# Altium PCB FPGA_POETIC.PcbDoc (part 2 of 3)
Units mm, origin at the board's own origin, x right, y up, seen from the top; angles counter-clockwise.
Board outline 160 x 100 mm, 6 copper layers (Top Layer, GND, Internal SIG1, Internal SIG2, Power, Bottom Layer), stack 0.816 mm thick; 193 components, 248 nets, 1352 pads, 523 vias.
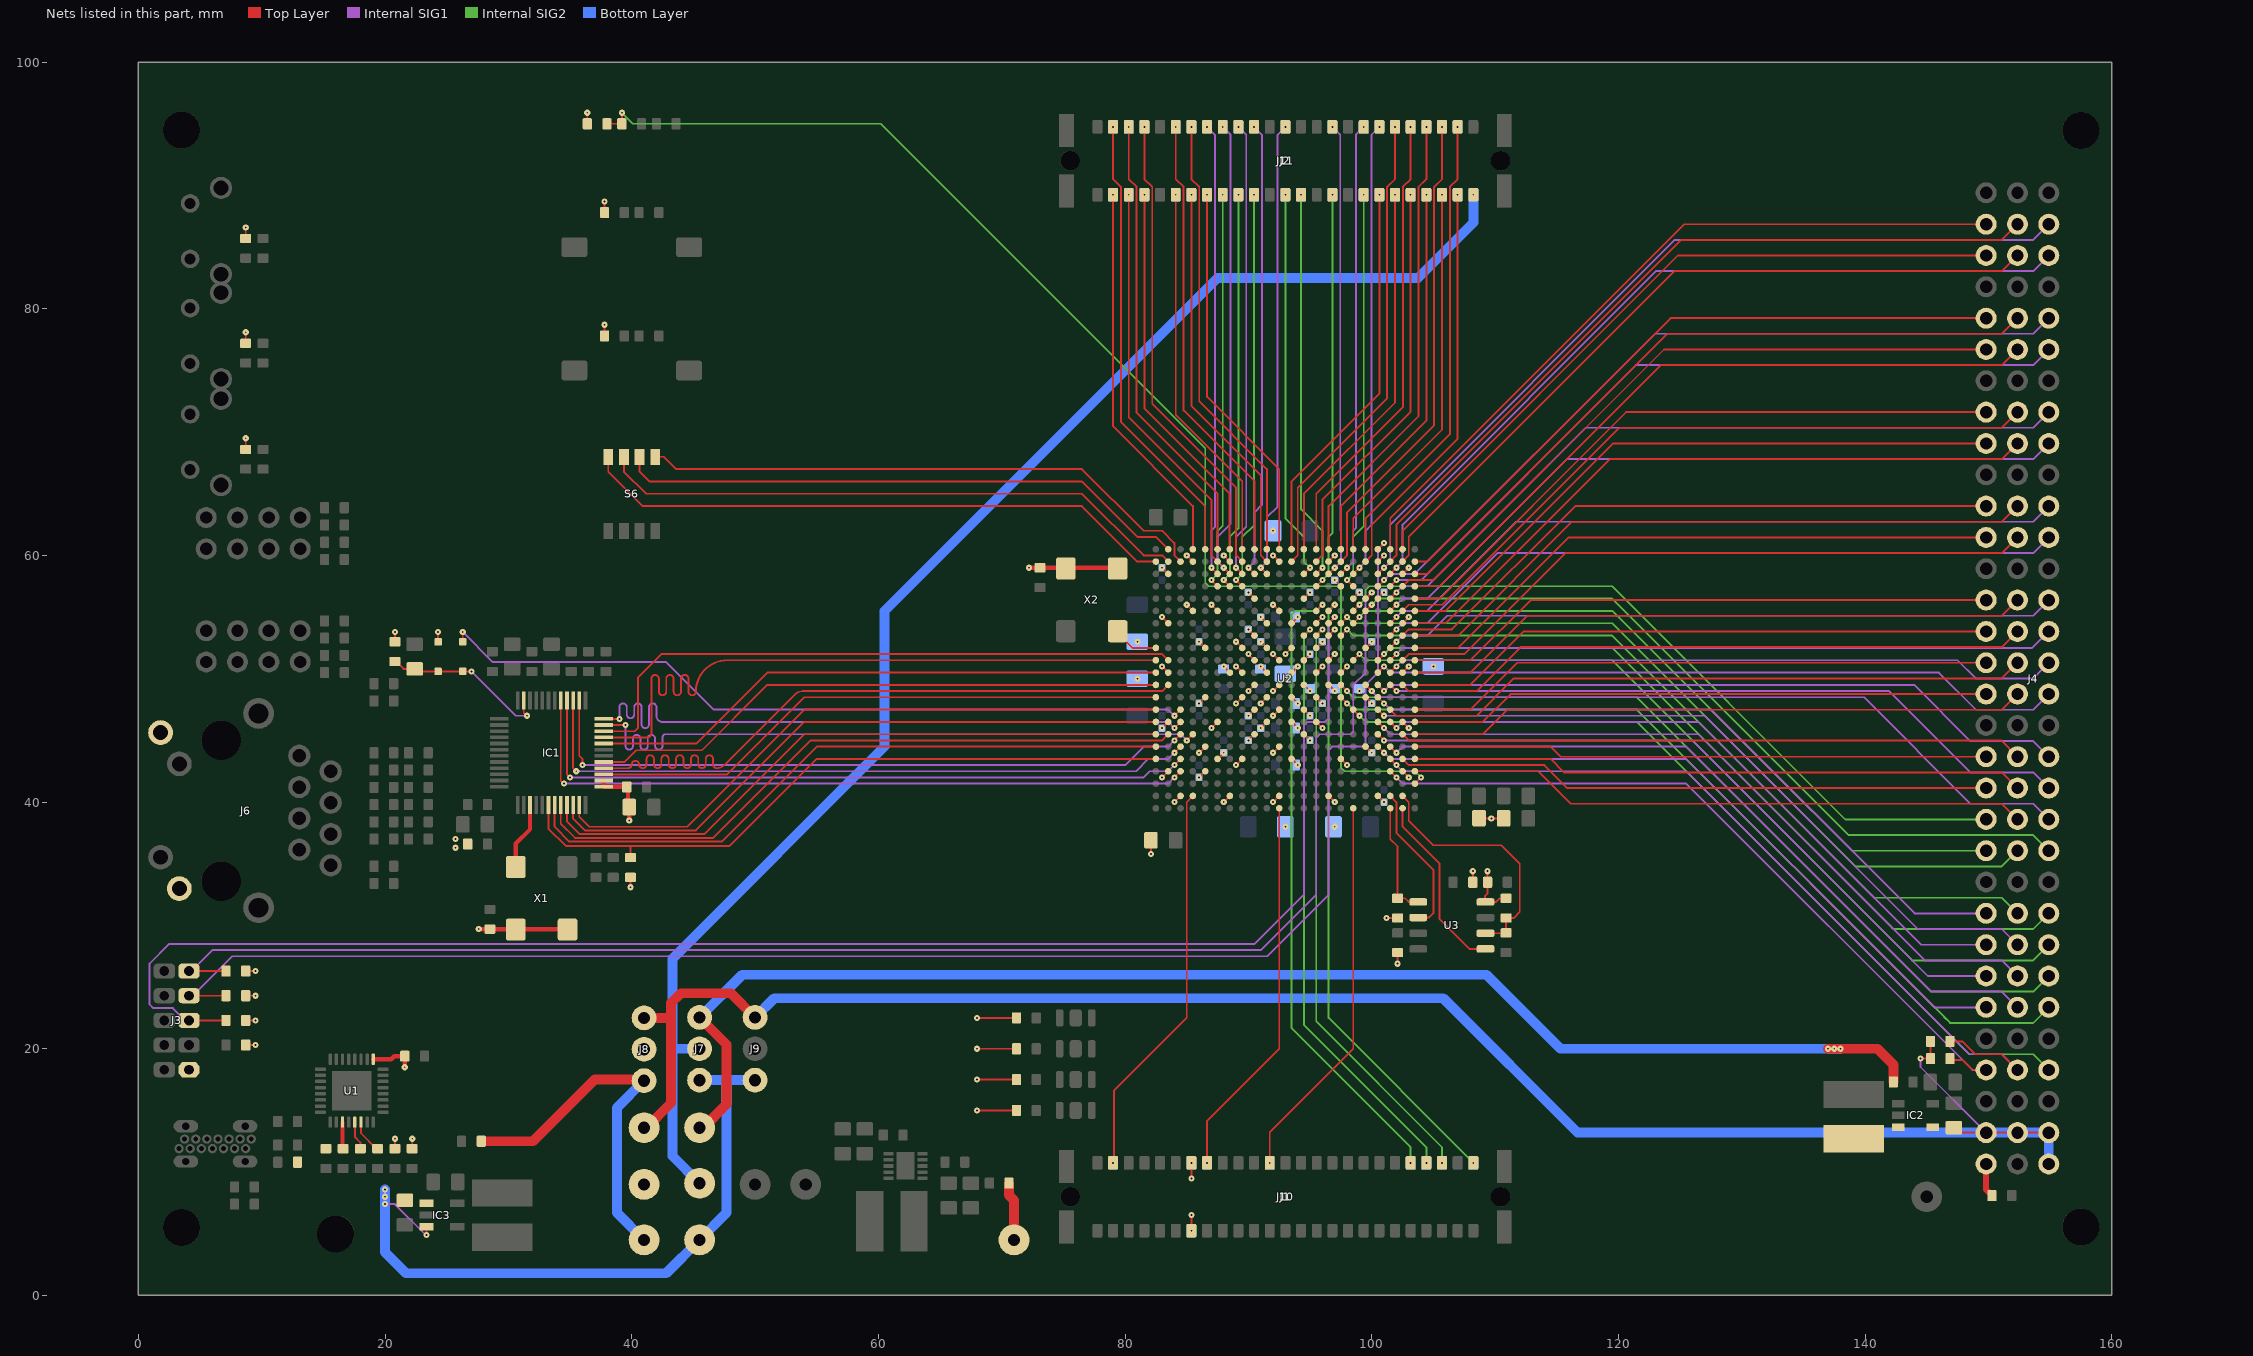
[diagram p6: the nets of this part, all layers, seen from the top]

## Part data
C1 C2 C3 C4 C5 C6 C7 C10 C11 C12 C13 C14 C15 C16 C17 C18 C19 C20 C32 C79 C80 C81: library part Capacitor, "Capacitor X7R 10% 50V 1608(0603)"
C8 C9 C21 C22 C23 C24 C25 C26 C27 C28 C33 C34 C35 C36 C37 C38 C39 C40 C41 C42 C43 C44 C45 C46 C47 C48 C49 C50 C51 C52 C53 C54 C55 C56 C57 C58 C59 C60 C61 C62 C63 C64 C65 C66 C67 C68 C69 C70 C71 C72 C73 C74 C75 C76 C77 C78: library part Capacitor, "Capacitor"
  C8: Socket=1005, V=50V
  C9: Socket=1005, U=50V
C29 C30 C31: library part Capacitor, "Capacitor X7R 10% 50V 2012(0805)"
D1 D2: library part DIODE, "Diode generic 2 leads"
IC1: "Integrated Circuit", Manufacturer_Name=Microchip, Mouser Part Number=998-KSZ8041TL, Arrow Part Number=KSZ8041TL, Arrow Price/Stock=https://www.arrow.com/en/products/ksz8041tl/microchip-technology, Datasheet Link=http://www.microchip.com/mymicrochip/filehandler.aspx?ddocname=en581559, Height=1.05mm, Manufacturer_Part_Number=KSZ8041TL, Mouser Price/Stock=https://www.mouser.co.uk/ProductDetail/Microchip-Technology-Micrel/KSZ8041TL?qs=kh6iOki%2FeLG3fBvp35yNQw%3D%3D
IC2: "Integrated Circuit", Manufacturer_Name=Ricoh, Mouser Part Number=848-RP402N501F-TR-FE, Arrow Part Number=RP402N501F-TR-FE, Arrow Price/Stock=https://www.arrow.com/en/products/rp402n501f-tr-fe/ricoh-electronic-devices-company, Datasheet Link=https://www.arrow.com/en/products/rp402n501f-tr-fe/ricoh-electronic-devices-company, Height=1.3mm, Manufacturer_Part_Number=RP402N501F-TR-FE, Mouser Price/Stock=https://www.mouser.co.uk/ProductDetail/Ricoh-Electronic-Devices-Company/RP402N501F-TR-FE?qs=ilL34mSzaLj3p4B9FaWLxQ%3D%3D
IC3: "Integrated Circuit", Manufacturer_Name=SEMTECH, Mouser Part Number=947-SC189ZSKTRT, Arrow Part Number=SC189ZSKTRT, Arrow Price/Stock=https://www.arrow.com/en/products/sc189zsktrt/semtech, Datasheet Link=http://www.semtech.com/images/datasheet/sc189.pdf, Height=1.45mm, Manufacturer_Part_Number=SC189ZSKTRT, Mouser Price/Stock=https://www.mouser.co.uk/ProductDetail/Semtech/SC189ZSKTRT/?qs=rBWM4%252BvDhIck0D%2FgoUNMIQ%3D%3D
IC4: "Integrated Circuit", Manufacturer_Name="Analog Devices", Mouser Part Number=584-ADP2119ACPZ1.2R7, Arrow Part Number=ADP2119ACPZ-1.2-R7, Arrow Price/Stock=https://www.arrow.com/en/products/adp2119acpz-1.2-r7/analog-devices, Manufacturer_Part_Number=ADP2119ACPZ-1.2-R7, Mouser Price/Stock=https://www.mouser.co.uk/ProductDetail/Analog-Devices/ADP2119ACPZ-12-R7?qs=WIvQP4zGanjkVnaXN%2F8Aww%3D%3D
J1 J2: "Female 1.27 pitch 2x25 pin connector"
J4: library part "DIN41612 MALE 3X32 ABC R90", "DIN41612 MALE 3X32 ABC R90", Manufacturer=Harting, Mouser No.=617-09-03-196-6921
J5: library part "USB-C-Molex 2169890001", "USB-C Receptacle Connector 24 Position Through Hole, Right Angle", ComponentLink1Description=Manufacturer, ComponentLink1URL=http://www.we-online.de, ComponentLink2Description=Datasheet, ComponentLink2URL=https://katalog.we-online.com/em/datasheet/632722110112.pdf
J6: library part "RJ45 PULSE J0011D21BNL", "Integrated connector modules 10/100 base-TX belMag with LEDs", Supplier Part Number 1=673-J0011D21BNL, Supplier 1=Mouser
J7 J8 J9: library part PinHeader1x3, "Plug connector"
J10 J11: "Male 1.27 pitch 2x25 pin connector"
JP1 JP2 JP3 JP4: library part "JUMPER 3 POS", "JUMPER 3 POS"
L1 L2 L3: library part Inductor, "Inductor"
  L1: Name=NRS5020T2R2NMGJ
  L2: Name=74437334022
  L3: Name=74437334015
LD1 LD2 LD3: library part LED, "LED generic"
LD4 LD5: library part "LED Dialight 568-0721-111F", "LED Dialight 568-0721-111F", Manufacturer=Dialight, Mouser No.=645-568-0721-111F
R1 R2 R3 R4 R7 R8 R9 R10 R13 R19 R22 R24 R25 R30 R31 R32 R33 R38 R41 R42 R43 R44 R45 R46 R47 R48 R58 R59 R61 R62 R63: library part Resistor, "Resistor 1% 50V 100mW 1608(0603)"
R5 R6 R26 R27 R28 R29 R34 R35 R36 R37 R39 R40 R49 R50 R51 R52 R53 R54 R55 R56 R57: library part Resistor, "Resistor 1% 50V 125mW 2012(0805)"
R11 R12 R14 R15 R16 R17 R18 R20 R21 R23: library part Resistor, "Resistor"
  R14 R23: Socket=1005
  R15 R16 R17 R18: Socket=1608, W=100mW
  R20 R21: W=100mW
S1 S2: library part "Push Button 2Pins", "Push Button, 2 pins"
S3 S4 S5: library part "Push Button 2Pins", "Push Button, 2 pins", Manufacturer="TE Connectivity / Alcoswitch", Mouser No.=506-FSMRA4JH04
S6: library part "DIP Switch 4Pos", "MULTICOMP  MCDHN-04F"
TP1 TP2 TP3 TP4 TP5 TP6 TP7 TP8 TP9 TP10: library part "Test Point", "Test Point"
U1: "24-Bit ADC with Ultra Low Noise PGIA - Crystal"
U2: "Spartan-6 LXT 1.2V FPGA, 268 User I/Os, 484-Ball Fine-Pitch BGA (1.0mm Pitch)"
U3: "64Mb Serial Flash Memory"
X1: library part "Oscillator C5.2x7.2 IQD LFSPXO", "Oscillator C5.2x7.2 IQD LFSPXO", Freq=25MHz
X2: library part "Oscillator C5.2x7.2 IQD LFSPXO", "Oscillator C5.2x7.2 IQD LFSPXO", MouserNumber=710-831022731

## Free pads (board coordinates)
  round 3 hole 3: 0(3.5,5.5) 0(3.5,94.5) 0(16,5)

## Via types
v1: diameter 0.5, hole 0.15, Top Layer to Bottom Layer, tented both sides, 518 vias
v2: diameter 0.6, hole 0.25, Top Layer to Bottom Layer, 5 vias

## Nets (pads, with @x,y where several pads share a name; then routed paths per layer and width w, separated by ;. In a path a pad name is that pad's centre, name@x,y a point inside that pad or via, vN(x,y) a via of type N, cw(c..) or ccw(c..) an arc to the next point about the centre after c; other vN are vias at no path point)
+1.2V_CORE: C47.1 C48.1 C49.1 C50.1 C51.1 C52.1 C53.1 C54.1 C55.1 C56.1 C57.1 R62.2 TP5.1 U2.J8 U2.J10 U2.J12 U2.J14 U2.K9 U2.K11 U2.K13 U2.L10 U2.L12 U2.L14 U2.M9 U2.M11 U2.M13 U2.N10 U2.N12 U2.N14 U2.P9 U2.P11 U2.P13 U2.R14 | length 18.9
  Top Layer w0.15: v1(89,53) U2.J8@89.5,52.5 ; v1(90,47) U2.P9@90.5,47.5 ; v1(90,49) U2.M9@90.5,49.5 ; v1(90,52) U2.K9@90.5,51.5 ; v1(91,48) U2.N10@91.5,48.5 ; v1(91,51) U2.L10@91.5,50.5 ; v1(91,53) U2.J10@91.5,52.5 ; v1(92,47) U2.P11@92.5,47.5 ; v1(92,49) U2.M11@92.5,49.5 ; v1(92,52) U2.K11@92.5,51.5 ; v1(93,52) U2.J12@93.5,52.5 ; U2.N12@93.5,48.5 v1(94,48) ; U2.L12@93.5,50.5 v1(94,51) ; U2.P13@94.5,47.5 v1(95,47) ; U2.M13@94.5,49.5 v1(95,49) ; U2.K13@94.5,51.5 v1(95,52) ; U2.R14@95.5,46.5 v1(96,46) ; U2.N14@95.5,48.5 v1(96,48) ; U2.L14@95.5,50.5 v1(96,51) ; U2.J14@95.5,52.5 v1(96,53)
  Top Layer w0.8: R62.2@70.6,9.1 70.6,8.12 71,7.72 TP5.1@71,4.5
  other v1: 81,50 93,50
+3V3_BACKPLANE: C21.2 IC2.3 IC2.4 J4.A31 J4.A32 J4.B31 J4.C31 J8.1 J9.1 L1.1 R8.2 R9.2 TP2.1 | length 152.7
  Top Layer w0.15: v1(144.5,19.2) R9.2@145.3,19.2 R8.2@145.3,20.6 ; C21.2@147,14 147.8,13.2 J4.C31@149.82,13.2 J4.B31@152.36,13.2 J4.A31@154.9,13.2
  Top Layer w0.8: TP2.1@41,13.6 41.1,13.5 43.2,15.6 43.2,22.5 J8.1@41,22.5 ; 43.2,22.54 43.2,23.7 44,24.5 48.04,24.5 J9.1@50,22.54
  Internal SIG1 w0.15: v1(144.5,19.2) 144.5,18.52 J4.C31@149.82,13.2
  Bottom Layer w0.8: J8.1@40.9,22.4 J8.1@41,22.5 ; J9.1@50,22.54 51.56,24.1 105.8,24.1 116.7,13.2 J4.C31@149.82,13.2 J4.B31@152.36,13.2 J4.A31@154.9,13.2 J4.A32@154.9,10.66
+3V3_D: C3.2 C12.2 C13.2 C35.1 C36.1 C37.1 C38.1 C39.1 C40.1 C41.1 C42.1 C43.1 C44.1 C45.1 C46.1 C58.1 C59.1 C60.1 C61.1 C62.1 C63.1 C64.1 C65.1 C66.1 C67.1 C68.1 C69.1 C70.1 C71.1 C72.1 C73.1 C74.1 C75.1 C76.1 C77.2 C78.2 C81.2 D1.1 IC1.25 IC1.26 J1.a7 J1.b7 J3.1 J6.9 J6.12 J8.2 J10.a7 J10.b7 R1.2 R2.2 R3.2 R4.2 R5.2 R6.2 R10.2 R13.2 R24.2 R26.2 R29.2 R30.2 R31.2 R32.2 R33.2 R34.2 R35.2 R36.2 R49.2 R50.2 R51.2 R52.2 R53.2 R54.2 R55.2 R57.2 TP6.1 U1.1 U2.AA3 U2.AA7 U2.AA11 U2.AA15 U2.AA19 U2.B4 U2.B7 U2.B11 U2.B15 U2.B19 U2.C2 U2.C21 U2.D16 U2.E9 U2.E13 U2.E17 U2.E19 U2.F4 U2.F6 U2.F11 U2.G2 U2.G10 U2.G12 U2.G14 U2.G21 U2.H9 U2.H15 U2.J5 U2.J18 U2.K15 U2.L2 U2.L7 U2.L8 U2.L16 U2.L21 U2.M15 U2.N5 U2.N8 U2.N18 U2.R2 U2.R6 U2.R10 U2.R12 U2.R21 U2.T9 U2.T13 U2.U5 U2.U11 U2.U18 U2.V6 U2.V8 U2.V12 U2.V16 U2.W2 U2.W5 U2.W21 U3.8 X1.1 X1.4 X2.1 X2.4 | length 101.5
  Top Layer w0.15: R4.2@8.7,20.3 v1(9.5,20.3) ; R3.2@8.7,22.3 v1(9.5,22.3) ; R2.2@8.7,24.3 v1(9.5,24.3) ; R1.2@8.7,26.3 v1(9.5,26.3) ; R50.2@8.7,68.6 v1(8.7,69.5) ; R49.2@8.7,77.2 v1(8.7,78.1) ; R51.2@8.7,85.7 v1(8.7,86.6) ; R5.2@20.8,11.9 v1(20.8,12.7) ; R10.2@20.8,53 v1(20.8,53.8) ; R6.2@22.2,11.9 v1(22.2,12.7) ; D1.1@24.3,53 v1(24.3,53.8) ; R35.2@36.4,95 v1(36.4,95.9) ; R34.2@37.8,77.8 v1(37.8,78.7) ; R36.2@37.8,87.8 v1(37.8,88.7) ; v1(39.9,33.1) R13.2@39.9,33.9 ; v1(68,15) 71.1,15 R55.2@71.2,14.9 ; v1(68,17.5) 71.02,17.5 71.06,17.46 71.1,17.5 R54.2@71.2,17.4 ; v1(68,20) 71.1,20 R53.2@71.2,19.9 ; v1(68,22.5) 71.1,22.5 R52.2@71.2,22.4 ; v1(82.1,35.8) R29.2@82.1,36.9 ; v1(83,42) U2.W2@83.5,42.5 ; v1(83,46) U2.R2@83.5,46.5 ; v1(83,51) U2.L2@83.5,50.5 ; v1(83,55) U2.G2@83.5,54.5 ; v1(83,59) U2.C2@83.5,58.5 ; v1(84,40) U2.AA3@84.5,40.5 ; v1(85,56) U2.F4@85.5,55.5 ; v1(85,60) U2.B4@85.5,59.5 ; v1(85.38,5.25) v1(85.38,6.52) ; v1(85.38,9.48) v1(85.38,10.75) ; v1(86,42) U2.W5@86.5,42.5 ; v1(86,44) U2.U5@86.5,44.5 ; v1(86,48) U2.N5@86.5,48.5 ; v1(86,53) U2.J5@86.5,52.5 ; v1(87,46) U2.R6@87.5,46.5 ; v1(87,56) U2.F6@87.5,55.5 ; U2.V6@87.5,43.5 v1(88,44) ; v1(88,40) U2.AA7@88.5,40.5 ; v1(88,51) U2.L7@88.5,50.5 ; v1(88,60) U2.B7@88.5,59.5 ; v1(89,43) U2.V8@89.5,43.5 ; v1(89,48) U2.N8@89.5,48.5 ; v1(89,51) U2.L8@89.5,50.5 ; v1(90,45) U2.T9@90.5,45.5 ; v1(90,54) U2.H9@90.5,53.5 ; v1(90,57) U2.E9@90.5,56.5 ; v1(91,46) U2.R10@91.5,46.5 ; v1(91,55) U2.G10@91.5,54.5 ; v1(92,40) U2.AA11@92.5,40.5 ; v1(92,44) U2.U11@92.5,44.5 ; v1(92,56) U2.F11@92.5,55.5 ; v1(92,60) U2.B11@92.5,59.5 ; U2.V12@93.5,43.5 v1(94,43) ; U2.R12@93.5,46.5 v1(94,46) ; U2.G12@93.5,54.5 v1(94,55) ; U2.T13@94.5,45.5 v1(95,45) ; U2.E13@94.5,56.5 v1(95,57) ; U2.G14@95.5,54.5 v1(96,55) ; U2.AA15@96.5,40.5 v1(97,40) ; U2.M15@96.5,49.5 v1(97,49) ; U2.K15@96.5,51.5 v1(97,52) ; U2.H15@96.5,53.5 v1(97,54) ; U2.B15@96.5,59.5 v1(97,60) ; v1(97,58) U2.D16@97.5,57.5 ; U2.V16@97.5,43.5 v1(98,43) ; U2.L16@97.5,50.5 v1(98,51) ; U2.E17@98.5,56.5 v1(99,57) ; U2.U18@99.5,44.5 v1(100,44) ; U2.N18@99.5,48.5 v1(100,48) ; U2.J18@99.5,52.5 v1(100,53) ; U2.AA19@100.5,40.5 v1(101,40) ; U2.E19@100.5,56.5 v1(101,57) ; U2.B19@100.5,59.5 v1(101,60) ; v1(101.2,30.6) R31.2@102.1,30.6 ; v1(102.1,26.9) R30.2@102.1,27.8 ; U2.W21@102.5,42.5 v1(103,42) ; U2.R21@102.5,46.5 v1(103,46) ; U2.L21@102.5,50.5 v1(103,51) ; U2.G21@102.5,54.5 v1(103,55) ; U2.C21@102.5,58.5 v1(103,59) ; R32.2@108.2,33.5 v1(108.2,34.4) ; R26.2@108.7,38.68 v1(109.7,38.68) R57.2@110.7,38.68 ; v1(109.4,34.4) C78.2@109.4,33.5 109.4,32.6 109.2,32.4 109.2,31.8 109.225,31.825 U3.8@109.225,31.905 110.105,31.905 110.4,32.2 R33.2@110.9,32.2
  Top Layer w0.35: U1.1@19.05,19.15 20.5,19.15 20.75,19.4 C81.2@21.6,19.4 v1(21.6,18.5) ; v1(27.6,29.7) C3.2@28.5,29.7 34.8,29.7 X1.1@34.8,29.66 ; IC1.26@37.738,41.75 IC1.25@37.738,41.25 39.57,41.25 C13.2@39.6,41.22 39.7,41.12 39.7,39.7 C12.2@39.8,39.6 v1(39.8,38.5) ; v1(72.2,59) 79.3,59 X2.4@79.4,58.9 ; X2.4@79.4,58.94 X2.4@79.4,58.9 ; X2.4@79.5,58.8 X2.4@79.4,58.9
  other v1: 25.7,36.3 25.7,37 93,38 97,38 99,49 105,51 81,53 92,62
+3V3_USB: J8.3 R63.2 TP8.1 | length 30
  Top Layer w0.15: R63.2@27.8,12.5 R63.2@28,12.5
  Top Layer w0.8: R63.2@28,12.5 32,12.5 37,17.5 40.92,17.5 J8.3@41,17.42
  Bottom Layer w0.8: TP8.1@41,4.5 38.8,6.7 38.8,15.22 J8.3@41,17.42
+5V_BACKPLANE: J7.1 R61.2 TP3.1 | length 114.6
  Top Layer w0.8: TP3.1@45.5,13.6 45.8,13.6 47.7,15.5 47.7,20.34 J7.1@45.5,22.54 ; v1(137,20) v1(137.5,20) v1(138,20) 141,20 142.3,18.7 R61.2@142.3,17.3
  Bottom Layer w0.8: J7.1@45.5,22.54 48.96,26 109.3,26 115.3,20 v1(137,20) v1(137.5,20) v1(138,20)
+5V_MEZZA: J2.a25 J7.2 J11.a25 TP1.1 | length 119.7
  Bottom Layer w0.8: TP1.1@45.5,9.1 43.3,11.3 43.3,20 ; J7.2@45.5,20 43.3,20 ; v1(108.24,89.25) 108.24,87 103.74,82.5 87.5,82.5 60.5,55.5 60.5,44.5 43.3,27.3 43.3,20
+5V_USB: C23.2 C79.2 C80.2 IC3.1 IC3.3 J7.3 J9.3 R7.2 TP7.1 U1.19 | length 58
  Top Layer w0.15: v1(23.35,4.9) IC3.3@23.35,5.57
  Top Layer w0.35: U1.19@16.55,14.05 16.55,11.95 C80.2@16.6,11.9 ; IC3.1@23.35,7.47 IC3.1@23.36,7.46
  Internal SIG1 w0.15: v1(20,7.4) 20.8,7.4 23.3,4.9 v1(23.35,4.9)
  Bottom Layer w0.8: v1(20,8.6) v1(20,8) v1(20,7.4) 20,3.5 21.7,1.8 42.8,1.8 TP7.1@45.5,4.5 47.7,6.7 47.7,17.46 J7.3@45.5,17.46 ; 47.8,17.42 47.84,17.46 J9.3@50,17.46
+24V_BP: C32.2 J4.C32 | length 2.8
  Top Layer w0.5: J4.C32@149.82,10.66 149.82,8.58 C32.2@150.3,8.1
\S\P\I\A\_\S\T\E\: J1.b12 J10.b12 U2.AB17 | length 31.6
  Top Layer w0.15: v1(91.73,10.75) 91.73,13.23 98.5,20 U2.AB17@98.5,39.5
\S\P\I\B\_\S\T\E\: J1.b8 J10.b8 U2.AB11 | length 31.2
  Top Layer w0.15: v1(86.65,10.75) 86.65,14.15 92.5,20 U2.AB11@92.5,39.5
\S\P\I\C\_\S\T\E\: J1.b2 J10.b2 U2.AA4 | length 32.4
  Top Layer w0.15: v1(79.03,10.75) 79.05,10.75 79.1,10.8 79.1,16.6 85,22.5 85,40 U2.AA4@85.5,40.5
ADC_CH0_CS: J1.b25 J10.b25 U2.F15 | length 51
  Top Layer w0.15: U2.F15@96.5,55.5 v1(97,56)
  Internal SIG2 w0.15: v1(97,56) 96.5,55.5 96.5,22.5 108.24,10.76 v1(108.24,10.75)
ADC_CH0_SDO: J1.b23 J10.b23 U2.H14 | length 48.4
  Top Layer w0.15: U2.H14@95.5,53.5 v1(96,54)
  Internal SIG2 w0.15: v1(96,54) 95.5,53.5 95.5,22.22 105.7,12.02 v1(105.7,10.75)
ADC_CH1_CS: J2.b22 J11.b22 U2.A15 | length 37.5
  Top Layer w0.15: U2.A15@96.5,60.5 96.5,64 103.795,71.295 103.795,89.885 104.43,90.52 v1(104.43,94.75)
ADC_CH1_SDO: J2.b21 J11.b21 U2.A14 | length 37.4
  Top Layer w0.15: U2.A14@95.5,60.5 95.5,65 102.525,72.025 102.525,89.885 103.16,90.52 v1(103.16,94.75)
ADC_CH2_CS: J2.b20 J11.b20 U2.B12 | length 38.7
  Top Layer w0.15: U2.B12@93.5,59.5 94,60 94,65.5 101.255,72.755 101.255,89.885 101.89,90.52 v1(101.89,94.75)
ADC_CH2_SDO: J2.b19 J11.b19 U2.C17 | length 37.1
  Top Layer w0.15: U2.C17@98.5,58.5 v1(99,59)
  Internal SIG1 w0.15: v1(99,59) 99.5,59.5 99.5,62 99.985,62.485 99.985,94.115 v1(100.62,94.75)
ADC_CH3_CS: J2.b24 J11.b24 U2.A18 | length 37.3
  Top Layer w0.15: U2.A18@99.5,60.5 99.5,63 106.335,69.835 106.335,89.885 106.97,90.52 v1(106.97,94.75)
ADC_CH3_SDO: J2.b23 J11.b23 U2.B16 | length 38.6
  Top Layer w0.15: U2.B16@97.5,59.5 98,60 98,63.5 105.065,70.565 105.065,89.885 105.7,90.52 v1(105.7,94.75)
ADC_CH4_CS: J2.b18 J11.b18 U2.C16 | length 37
  Top Layer w0.15: U2.C16@97.5,58.5 v1(98,59)
  Internal SIG1 w0.15: v1(98,59) 98.5,59.5 98.5,62 98.715,62.215 98.715,94.115 v1(99.35,94.75)
ADC_CH4_SDO: J2.b16 J11.b16 U2.C15 | length 37
  Top Layer w0.15: U2.C15@96.5,58.5 v1(97,59)
  Internal SIG1 w0.15: v1(96.81,94.75) 97.445,94.115 97.445,62.055 97.5,62 97.5,59.5 v1(97,59)
ADC_CH5_CS: J2.a3 J11.a3 U2.B6 | length 32.7
  Top Layer w0.15: v1(80.3,89.25) 80.3,71.2 87,64.5 87,60 U2.B6@87.5,59.5
ADC_CH5_SDO: J2.a2 J11.a2 U2.A4 | length 31.4
  Top Layer w0.15: v1(79.03,89.25) 79.03,70.47 85.5,64 U2.A4@85.5,60.5
ADC_CH6_CS: J2.a6 J11.a6 U2.A8 | length 31
  Top Layer w0.15: v1(84.11,89.25) 84.11,71.39 89.5,66 U2.A8@89.5,60.5
ADC_CH6_SDO: J2.a4 J11.a4 U2.A7 | length 31.6
  Top Layer w0.15: v1(81.57,89.25) 81.57,71.93 88.483,65.017 U2.A7@88.483,60.5
ADC_CH7_CS: J2.b13 J11.b13 U2.C10 | length 37.3
  Top Layer w0.15: v1(91,59) U2.C10@91.5,58.5
  Internal SIG1 w0.15: v1(91,59) 91.5,59.5 91.5,63.1 92.365,63.965 92.365,94.115 v1(93,94.75)
ADC_CH7_SDO: J2.b11 J11.b11 U2.C9 | length 37.2
  Top Layer w0.15: v1(90,59) U2.C9@90.5,58.5
  Internal SIG1 w0.15: v1(90,59) 90.5,59.5 90.5,63.5 91.095,64.095 91.095,94.115 v1(90.46,94.75)
ADC_CH8_CS: J2.a8 J11.a8 U2.A11 | length 31.2
  Top Layer w0.15: v1(86.65,89.25) 86.65,72.85 92.5,67 U2.A11@92.5,60.5
ADC_CH8_SDO: J2.a7 J11.a7 U2.B10 | length 32.3
  Top Layer w0.15: v1(85.38,89.25) 85.38,72.124 91,66.504 91,60 U2.B10@91.5,59.5
ADC_CH9_CS: J2.b10 J11.b10 U2.C8 | length 37.1
  Top Layer w0.15: v1(89,59) U2.C8@89.5,58.5
  Internal SIG1 w0.15: v1(89,59) 89,61.5 89.825,62.325 89.825,94.115 v1(89.19,94.75)
ADC_CH9_SDO: J2.b9 J11.b9 U2.C7 | length 37.4
  Top Layer w0.15: v1(88,59) U2.C7@88.5,58.5
  Internal SIG1 w0.15: v1(87.92,94.75) 88.555,94.115 88.555,62.555 87.5,61.5 87.5,59.5 v1(88,59)
ADC_CH10_CS: J2.b8 J11.b8 U2.C6 | length 36.8
  Top Layer w0.15: v1(87,59) U2.C6@87.5,58.5
  Internal SIG1 w0.15: v1(86.65,94.75) 87.285,94.115 87.285,62.285 87,62 v1(87,59)
ADC_CH10_SDO: J2.b7 J11.b7 U2.A10 | length 36.8
  Top Layer w0.15: v1(85.38,94.75) 85.38,90.52 86.015,89.885 86.015,72.485 91.5,67 U2.A10@91.5,60.5
ADC_CH11_CS: J2.b3 J11.b3 U2.A6 | length 37.2
  Top Layer w0.15: v1(80.3,94.75) 80.3,90.52 80.935,89.885 80.935,71.565 87.5,65 U2.A6@87.5,60.5
ADC_CH11_SDO: J2.b2 J11.b2 U2.A5 | length 37.3
  Top Layer w0.15: v1(79.03,94.75) 79.03,90.52 79.665,89.885 79.665,70.835 86.5,64 U2.A5@86.5,60.5
ADC_CH12_CS: J2.b6 J11.b6 U2.A9 | length 36.9
  Top Layer w0.15: v1(84.11,94.75) 84.11,90.52 84.745,89.885 84.745,71.755 90.5,66 U2.A9@90.5,60.5
ADC_CH12_SDO: J2.b4 J11.b4 U2.B8 | length 38.5
  Top Layer w0.15: v1(81.57,94.75) 81.57,90.52 82.205,89.885 82.205,72.295 89,65.5 89,60 U2.B8@89.5,59.5
ADC_CH13_CS: J2.a13 J11.a13 U2.C13 | length 31.8
  Top Layer w0.15: U2.C13@94.5,58.5 v1(95,59)
  Internal SIG2 w0.15: v1(93,89.25) 93,63 94.5,61.5 94.5,59.5 v1(95,59)
ADC_CH13_SDO: J2.a11 J11.a11 U2.D8 | length 32.6
  Top Layer w0.15: v1(89,58) U2.D8@89.5,57.5
  Internal SIG2 w0.15: v1(89,58) 89.5,58.5 89.5,61.5 90.46,62.46 v1(90.46,89.25)
ADC_CH14_CS: J2.a16 J11.a16 U2.D14 | length 32.3
  Top Layer w0.15: U2.D14@95.5,57.5 v1(96,58)
  Internal SIG2 w0.15: v1(96,58) 96.5,58.5 96.5,61.5 96.81,61.81 v1(96.81,89.25)
ADC_CH14_SDO: J2.a14 J11.a14 U2.C14 | length 31.7
  Top Layer w0.15: U2.C14@95.5,58.5 v1(96,59)
  Internal SIG2 w0.15: v1(94.27,89.25) 94.27,63.73 96,62 v1(96,59)
ADC_CH15_CS: J2.a10 J11.a10 U2.D7 | length 32.5
  Top Layer w0.15: v1(88,58) U2.D7@88.5,57.5
  Internal SIG2 w0.15: v1(88,58) 88.5,58.5 88.5,61.5 89.19,62.19 v1(89.19,89.25)
ADC_CH15_SDO: J2.a9 J11.a9 U2.D6 | length 32.3
  Top Layer w0.15: v1(87,58) U2.D6@87.5,57.5
  Internal SIG2 w0.15: v1(87,58) 87.5,58.5 87.5,62 87.92,62.42 v1(87.92,89.25)
ADC_CH16_CS: J2.a19 J11.a19 U2.A12 | length 31.7
  Top Layer w0.15: U2.A12@93.5,60.5 93.5,66 100.62,73.12 v1(100.62,89.25)
ADC_CH16_SDO: J2.a18 J11.a18 U2.D17 | length 32.5
  Top Layer w0.15: v1(98,58) U2.D17@98.5,57.5
  Internal SIG2 w0.15: v1(98,58) 98.5,58.5 98.5,61.5 99.35,62.35 v1(99.35,89.25)
ADC_CH17_CS: J2.a23 J11.a23 U2.A17 | length 31.7
  Top Layer w0.15: U2.A17@98.5,60.5 98.5,63 105.7,70.2 v1(105.7,89.25)
ADC_CH17_SDO: J2.a22 J11.a22 U2.A16 | length 31.6
  Top Layer w0.15: U2.A16@97.5,60.5 97.5,64 104.43,70.93 v1(104.43,89.25)
ADC_CH18_CS: J1.b22 J10.b22 U2.H13 | length 48.3
  Top Layer w0.15: U2.H13@94.5,53.5 v1(95,54)
  Internal SIG2 w0.15: v1(95,54) 94.5,53.5 94.5,21.95 104.43,12.02 v1(104.43,10.75)
ADC_CH18_SDO: J1.b21 J10.b21 U2.F14 | length 52
  Top Layer w0.15: U2.F14@95.5,55.5 v1(96,56)
  Internal SIG2 w0.15: v1(96,56) 95.5,55.5 93.8,55.5 93.5,55.2 93.5,24 93.5,21.68 103.16,12.02 v1(103.16,10.75)
ADC_CH19_CS: J2.a21 J11.a21 U2.B14 | length 32.9
  Top Layer w0.15: U2.B14@95.5,59.5 96,60 96,64.5 103.16,71.66 v1(103.16,89.25)
ADC_CH19_SDO: J2.a20 J11.a20 U2.A13 | length 31.8
  Top Layer w0.15: U2.A13@94.5,60.5 94.5,65 101.89,72.39 v1(101.89,89.25)
ADC_SCLK: J2.a24 J11.a24 U2.B18 | length 32.8
  Top Layer w0.15: U2.B18@99.5,59.5 100,60 100,62.5 106.97,69.47 v1(106.97,89.25)
BN_EN: J4.A29 U2.P17 | length 68.5
  Top Layer w0.15: U2.P17@98.5,47.5 v1(99,47)
  Internal SIG2 w0.15: v1(99,47) 99.5,46.5 121.5,46.5 148.45,19.55 153.63,19.55 J4.A29@154.9,18.28
BN_ERROR_R: J4.C29 R9.1 U2.W20 | length 61.7
  Top Layer w0.15: U2.W20@101.5,42.5 v1(102,42) ; R9.1@146.9,19.2 146.9,19.1 147.9,19.1 148.7,18.3 149.8,18.3 J4.C29@149.82,18.28
  Internal SIG1 w0.15: v1(102,42) 102.5,41.5 104.8,41.5 125.5,41.5 148.72,18.28 J4.C29@149.82,18.28
BN_ERROR_W: J4.B29 R8.1 U2.V20 | length 67.7
  Top Layer w0.15: U2.V20@101.5,43.5 v1(102,43) ; R8.1@146.9,20.6 147.9,20.6 148.95,19.55 151.09,19.55 J4.B29@152.36,18.28
  Internal SIG1 w0.15: v1(102,43) 102.5,42.5 104.8,42.5 125.5,42.5 148.45,19.55 151.09,19.55 J4.B29@152.36,18.28
BN_MASTER_RST: J4.C27 U2.U19 | length 58.1
  Top Layer w0.15: U2.U19@100.5,44.5 v1(101,44)
  Internal SIG1 w0.15: v1(101,44) 101.5,43.5 125.486,43.5 145.626,23.36 J4.C27@149.82,23.36
BP_GPIO_0: J4.A14 U2.J20 | length 55
  Top Layer w0.15: U2.J20@101.5,52.5 v1(102,53)
  Internal SIG1 w0.15: v1(102,53) 102.5,53.5 104.5,53.5 106.11,55.11 153.63,55.11 J4.A14@154.9,56.38
BP_GPIO_1: J4.A15 U2.K20 | length 54.4
  Top Layer w0.15: U2.K20@101.5,51.5 v1(102,52)
  Internal SIG1 w0.15: v1(102,52) 102.5,52.5 153.56,52.5 J4.A15@154.9,53.84
BP_GPIO_2: J4.A16 U2.L20 | length 54.9
  Top Layer w0.15: U2.L20@101.5,50.5 v1(102,51)
  Internal SIG1 w0.15: v1(102,51) 102.5,51.5 147.5,51.5 148.97,50.03 153.63,50.03 J4.A16@154.9,51.3
BP_GPIO_3: J4.A17 U2.L19 | length 56.6
  Top Layer w0.15: U2.L19@100.5,50.5 v1(101,51)
  Internal SIG1 w0.15: v1(101,51) 101.5,50.5 145.99,50.5 149,47.49 153.63,47.49 J4.A17@154.9,48.76
BP_GPIO_4: J4.A19 U2.M19 | length 57.2
  Top Layer w0.15: U2.M19@100.5,49.5 v1(101,49)
  Internal SIG1 w0.15: v1(101,49) 101.5,49.5 144,49.5 148.55,44.95 153.63,44.95 J4.A19@154.9,43.68
BP_GPIO_5: J4.A20 U2.M20 | length 56.9
  Top Layer w0.15: U2.M20@101.5,49.5 v1(102,49)
  Internal SIG1 w0.15: v1(102,49) 102.1,49 141.96,49 148.55,42.41 153.63,42.41 J4.A20@154.9,41.14
BP_GPIO_6: J4.A21 U2.M18 | length 59.9
  Top Layer w0.15: U2.M18@99.5,49.5 v1(100,49)
  Internal SIG1 w0.15: v1(100,49) 100.5,48.5 139.92,48.5 148.55,39.87 153.63,39.87 J4.A21@154.9,38.6
BP_GPIO_7: J4.A22 U2.F18 | length 64.3
  Top Layer w0.15: U2.F18@99.5,55.5 v1(100,56)
  Internal SIG2 w0.15: v1(100,56) 100.5,56.5 103.6,56.5 119.5,56.5 138.67,37.33 153.63,37.33 J4.A22@154.9,36.06
BP_GPIO_8: J4.A24 U2.K19 | length 65.8
  Top Layer w0.15: U2.K19@100.5,51.5 v1(101,52)
  Internal SIG2 w0.15: v1(101,52) 101.5,52.5 104.4,52.5 119.5,52.5 142.2,29.8 ; 141.5,30.5 142.29,29.71 153.63,29.71 J4.A24@154.9,30.98
BP_GPIO_9: J4.A25 U2.K17 | length 68.1
  Top Layer w0.15: U2.K17@98.5,51.5 v1(99,52)
  Internal SIG2 w0.15: v1(99,52) 99.5,51.5 103.8,51.5 119.49,51.5 143.69,27.3 ; 143.2,27.79 143.69,27.3 ; J4.A25@154.9,28.44 153.63,27.17 143.82,27.17 143.69,27.3
BP_GPIO_10: J4.A26 U2.M16 | length 68.7
  Top Layer w0.15: U2.M16@97.5,49.5 v1(98,49)
  Internal SIG2 w0.15: v1(98,49) 98.5,48.5 121.5,48.5 145.3,24.7 ; 145,25 145.37,24.63 153.63,24.63 J4.A26@154.9,25.9
BP_GPIO_11: J4.A27 U2.N16 | length 69.6
  Top Layer w0.15: U2.N16@97.5,48.5 v1(98,48)
  Internal SIG2 w0.15: v1(98,48) 98.5,47.5 121.5,47.5 146.9,22.1 ; 146.4,22.6 146.91,22.09 153.63,22.09 J4.A27@154.9,23.36
BP_GPIO_13: J4.B14 U2.L22 | length 51.3
  Top Layer w0.15: U2.L22@103.5,50.5 108,50.5 112.61,55.11 151.09,55.11 J4.B14@152.36,56.38
BP_GPIO_14: J4.B15 U2.M21 | length 52.1
  Top Layer w0.15: U2.M21@102.5,49.5 103,49 108.5,49 112.07,52.57 151.09,52.57 J4.B15@152.36,53.84
BP_GPIO_15: J4.B16 U2.P20 | length 52.8
  Top Layer w0.15: U2.P20@101.5,47.5 102,47 108.5,47 111.53,50.03 151.09,50.03 J4.B16@152.36,51.3
BP_GPIO_16: J4.B17 U2.T22 | length 50.2
  Top Layer w0.15: U2.T22@103.5,45.5 109,45.5 110.99,47.49 151.09,47.49 J4.B17@152.36,48.76
BP_GPIO_17: J4.B19 U2.T21 | length 50.6
  Top Layer w0.15: U2.T21@102.5,45.5 103,45 151.04,45 J4.B19@152.36,43.68
BP_GPIO_18: J4.B20 U2.V22 | length 49.8
  Top Layer w0.15: U2.V22@103.5,43.5 114.5,43.5 115.59,42.41 151.09,42.41 J4.B20@152.36,41.14
BP_GPIO_19: J4.B21 U2.W22 | length 50.5
  Top Layer w0.15: U2.W22@103.5,42.5 113.5,42.5 116.13,39.87 151.09,39.87 J4.B21@152.36,38.6
BP_GPIO_20: J4.B22 U2.G16 | length 64
  Top Layer w0.15: U2.G16@97.5,54.5 v1(98,55)
  Internal SIG2 w0.15: v1(98,55) 98.5,54.5 103.5,54.5 119.5,54.5 139.21,34.79 151.09,34.79 J4.B22@152.36,36.06
BP_GPIO_21: J4.B24 U2.H16 | length 64.6
  Top Layer w0.15: U2.H16@97.5,53.5 v1(98,54)
  Internal SIG2 w0.15: v1(98,54) 98.5,53.5 102.5,53.5 119.5,53.5 140.75,32.25 151.09,32.25 J4.B24@152.36,30.98
BP_GPIO_22: J4.B25 U2.P19 | length 59.8
  Top Layer w0.15: U2.P19@100.5,47.5 v1(101,47)
  Internal SIG1 w0.15: v1(101,47) 127,47 144.29,29.71 151.09,29.71 J4.B25@152.36,28.44
BP_GPIO_23: J4.B26 U2.R19 | length 60.4
  Top Layer w0.15: U2.R19@100.5,46.5 v1(101,46)
  Internal SIG1 w0.15: v1(101,46) 101.5,45.5 126.5,45.5 144.83,27.17 151.09,27.17 J4.B26@152.36,25.9
BP_GPIO_24: J4.B27 U2.U20 | length 60
  Top Layer w0.15: U2.U20@101.5,44.5 v1(102,44)
  Internal SIG1 w0.15: v1(102,44) 102.5,44.5 125.5,44.5 145.37,24.63 151.09,24.63 J4.B27@152.36,23.36
BP_GPIO_26: J4.C14 U2.K22 | length 48.3
  Top Layer w0.15: U2.K22@103.5,51.5 108,51.5 112.88,56.38 J4.C14@149.82,56.38
BP_GPIO_27: J4.C15 U2.M22 | length 48.1
  Top Layer w0.15: U2.M22@103.5,49.5 108,49.5 112.34,53.84 J4.C15@149.82,53.84
BP_GPIO_28: J4.C16 U2.P22 | length 48
  Top Layer w0.15: U2.P22@103.4,47.5 U2.P22@103.5,47.5 108,47.5 111.8,51.3 J4.C16@149.82,51.3
BP_GPIO_29: J4.C17 U2.R22 | length 47.3
  Top Layer w0.15: U2.R22@103.5,46.5 109,46.5 111.26,48.76 J4.C17@149.82,48.76
BP_GPIO_30: J4.C19 U2.U22 | length 46.8
  Top Layer w0.15: U2.U22@103.5,44.5 114.5,44.5 115.32,43.68 J4.C19@149.82,43.68 J4.C19@149.987,43.68
BP_GPIO_31: J4.C20 U2.V21 | length 48.3
  Top Layer w0.15: U2.V21@102.5,43.5 103,43 114,43 115.86,41.14 J4.C20@149.82,41.14
BP_GPIO_32: J4.C21 U2.F17 | length 60.4
  Top Layer w0.15: U2.F17@98.5,55.5 v1(99,56)
  Internal SIG2 w0.15: v1(99,56) 99.5,56.5 99.5,57.2 99.8,57.5 119.5,57.5 138.41,38.59 J4.C21@149.81,38.59
BP_GPIO_33: J4.C22 U2.G17 | length 59.8
  Top Layer w0.15: U2.G17@98.5,54.5 v1(99,55)
  Internal SIG2 w0.15: v1(99,55) 99.5,55.5 103.5,55.5 119.51,55.5 138.96,36.05 J4.C22@149.81,36.05
BP_GPIO_34: J4.C24 U2.N19 | length 56.6
  Top Layer w0.15: U2.N19@100.5,48.5 v1(101,48)
  Internal SIG1 w0.15: v1(101,48) 101.5,47.5 103.8,47.5 127.5,47.5 144.02,30.98 J4.C24@149.82,30.98
BP_GPIO_35: J4.C25 U2.R20 | length 56.2
  Top Layer w0.15: U2.R20@101.5,46.5 v1(102,46)
  Internal SIG1 w0.15: v1(102,46) 102.5,46.5 126.5,46.5 144.56,28.44 J4.C25@149.82,28.44
BP_GPIO_36: J4.C26 U2.T19 | length 57.4
  Top Layer w0.15: U2.T19@100.5,45.5 v1(101,45)
  Internal SIG1 w0.15: v1(101,45) 126,45 145.1,25.9 J4.C26@149.82,25.9
BP_PWM1A: J4.A2 U2.C19 | length 67.9
  Top Layer w0.15: U2.C19@100.5,58.5 v1(101,59)
  Internal SIG1 w0.15: v1(101,59) 101.5,59.5 101.5,62.5 124.59,85.59 153.63,85.59 J4.A2@154.9,86.86
BP_PWM1B: J4.A3 U2.C20 | length 65.9
  Top Layer w0.15: U2.C20@101.5,58.5 v1(102,59)
  Internal SIG1 w0.15: v1(102,59) 102.5,59.5 102.5,62.5 123.05,83.05 153.63,83.05 J4.A3@154.9,84.32
BP_PWM2A: J4.A5 U2.D19 | length 63.4
  Top Layer w0.15: U2.D19@100.5,57.5 v1(101,58)
  Internal SIG1 w0.15: v1(101,58) 101.5,58.5 103.5,58.5 122.97,77.97 153.63,77.97 J4.A5@154.9,79.24
BP_PWM2B: J4.A6 U2.D20 | length 61.4
  Top Layer w0.15: U2.D20@101.5,57.5 v1(102,58)
  Internal SIG1 w0.15: v1(102,58) 104,58 121.43,75.43 153.63,75.43 J4.A6@154.9,76.7
BP_PWM3A: J4.A8 U2.E20 | length 59.7
  Top Layer w0.15: U2.E20@101.5,56.5 v1(102,57)
  Internal SIG1 w0.15: v1(102,57) 102.5,57.5 104.5,57.5 117.35,70.35 153.63,70.35 J4.A8@154.9,71.62
BP_PWM3B: J4.A9 U2.F20 | length 59
  Top Layer w0.15: U2.F20@101.5,55.5 v1(102,56)
  Internal SIG1 w0.15: v1(102,56) 102.5,56.5 104.5,56.5 115.81,67.81 153.63,67.81 J4.A9@154.9,69.08
BP_PWM4A: J4.A11 U2.G20 | length 57.3
  Top Layer w0.15: U2.G20@101.5,54.5 v1(102,55)
  Internal SIG1 w0.15: v1(102,55) 102.5,55.5 104.5,55.5 111.73,62.73 153.63,62.73 J4.A11@154.9,64
BP_PWM4B: J4.A12 U2.H20 | length 56.7
  Top Layer w0.15: U2.H20@101.5,53.5 v1(102,54)
  Internal SIG1 w0.15: v1(102,54) 102.5,54.5 104.5,54.5 110.19,60.19 153.63,60.19 J4.A12@154.9,61.46
BP_PWM5A: J4.B2 U2.B20 | length 63.7
  Top Layer w0.15: U2.B20@101.5,59.5 102,60 102,62.5 125.09,85.59 151.09,85.59 J4.B2@152.36,86.86
BP_PWM5B: J4.B3 U2.B21 | length 61
  Top Layer w0.15: U2.B21@102.5,59.5 103,60 103,61.5 124.55,83.05 151.09,83.05 J4.B3@152.36,84.32
BP_PWM6A: J4.B5 U2.C22 | length 57.5
  Top Layer w0.15: U2.C22@103.5,58.5 104.5,58.5 123.97,77.97 151.09,77.97 J4.B5@152.36,79.24
BP_PWM6B: J4.B6 U2.D22 | length 56.8
  Top Layer w0.15: U2.D22@103.5,57.5 105.5,57.5 123.43,75.43 151.09,75.43 J4.B6@152.36,76.7
BP_PWM7A: J4.B8 U2.F21 | length 56.5
  Top Layer w0.15: U2.F21@102.5,55.5 103,56 105.707,56 120.057,70.35 151.09,70.35 J4.B8@152.36,71.62
BP_PWM7B: J4.B9 U2.G22 | length 54.9
  Top Layer w0.15: U2.G22@103.5,54.5 106,54.5 119.31,67.81 151.09,67.81 J4.B9@152.36,69.08
BP_PWM8A: J4.B11 U2.H22 | length 53.2
  Top Layer w0.15: U2.H22@103.5,53.5 107,53.5 116.23,62.73 151.09,62.73 J4.B11@152.36,64
BP_PWM8B: J4.B12 U2.K21 | length 54
  Top Layer w0.15: U2.K21@102.5,51.5 103,52 107.5,52 115.69,60.19 151.09,60.19 J4.B12@152.36,61.46
BP_PWM9A: J4.C2 U2.A20 | length 60.7
  Top Layer w0.15: U2.A20@101.5,60.5 101.5,63 125.36,86.86 J4.C2@149.82,86.86
BP_PWM9B: J4.C3 U2.A21 | length 58.5
  Top Layer w0.15: U2.A21@102.5,60.5 102.5,62 124.82,84.32 J4.C3@149.5,84.32 ; J4.C3@149.82,84 J4.C3@149.5,84.32 ; J4.C3@149.82,84.32 J4.C3@149.5,84.32
BP_PWM10A: J4.C5 U2.B22 | length 54.5
  Top Layer w0.15: U2.B22@103.5,59.5 104.5,59.5 124.24,79.24 J4.C5@149.82,79.24
BP_PWM10B: J4.C6 U2.D21 | length 55.3
  Top Layer w0.15: U2.D21@102.5,57.5 103,58 105,58 123.7,76.7 J4.C6@149.82,76.7
BP_PWM11A: J4.C8 U2.E22 | length 52.6
  Top Layer w0.15: U2.E22@103.5,56.5 105.5,56.5 120.62,71.62 J4.C8@149.82,71.62
BP_PWM11B: J4.C9 U2.F22 | length 51.9
  Top Layer w0.15: U2.F22@103.5,55.5 106,55.5 119.58,69.08 J4.C9@149.82,69.08
BP_PWM12A: J4.C11 U2.H21 | length 51.7
  Top Layer w0.15: U2.H21@102.5,53.5 103,54 106.5,54 116.5,64 J4.C11@149.82,64
BP_PWM12B_BN_PWM: J4.C12 U2.J22 | length 50
  Top Layer w0.15: U2.J22@103.5,52.5 107,52.5 115.96,61.46 117.552,61.46 J4.C12@149.82,61.46
BS0: LD1.1 U1.22 | length 2.8
  Top Layer w0.15: U1.22@18.05,14.05 18.05,13.15 19.3,11.9 LD1.1@19.4,11.9
BS1: LD2.1 U1.21 | length 2.3
  Top Layer w0.15: U1.21@17.55,14.05 17.55,12.85 18,12.4 LD2.1@18,11.9
CLK_100MHz: U2.J1 X2.3 | length 3.8
  Top Layer w0.15: X2.3@79.4,53.86 79.4,53.7 80.6,52.5 U2.J1@82.5,52.5
DIL_0: S6.2 U2.B1 | length 48.6
  Top Layer w0.15: 38.095,66.8 S6.2@38.095,68 ; 38.1,66.8 40.9,64 76.5,64 81,59.5 U2.B1@82.5,59.5
DIL_1: S6.4 U2.B2 | length 48.4
  Top Layer w0.15: 39.365,66.8 S6.4@39.365,68 ; 39.37,66.8 41.17,65 76.5,65 81.5,60 83,60 U2.B2@83.5,59.5
DIL_2: S6.6 U2.A2 | length 46.7
  Top Layer w0.15: 40.635,66.8 S6.6@40.635,68 ; 40.64,66.8 41.44,66 76.5,66 81,61.5 82.5,61.5 U2.A2@83.5,60.5
DIL_3: S6.8 U2.B3 | length 46.7
  Top Layer w0.15: S6.8@41.905,68 42.6,68 43.6,67 76.5,67 81.5,62 83,62 84,61 84,60 U2.B3@84.5,59.5
ETH_25MHz: IC1.15 X1.3 | length 5.5
  Top Layer w0.35: X1.3@30.6,34.74 30.6,36.64 31.75,37.79 IC1.15@31.75,39.762
ETH_COL: IC1.40 U2.V3 | length 56.5
  Top Layer w0.15: IC1.40@34.75,48.238 34.75,42.25 v1(35,42) ; v1(84,43) U2.V3@84.5,43.5
  Internal SIG1 w0.15: v1(35,42) 81.5,42 82,42.5 83.5,42.5 v1(84,43)
ETH_CRS: IC1.41 U2.W3 | length 57.3
  Top Layer w0.15: IC1.41@34.25,48.238 34.25,41.75 v1(34.5,41.5) ; v1(84,42) U2.W3@84.5,42.5
  Internal SIG1 w0.15: v1(34.5,41.5) 83.5,41.5 v1(84,42)
ETH_INTRP: IC1.32 U2.L1 | length 47.1
  Top Layer w0.15: IC1.32@37.738,44.75 45.25,44.75 51,50.5 U2.L1@82.5,50.5
ETH_MDC: IC1.19 U2.U1 | length 54.2
  Top Layer w0.15: IC1.19@33.75,39.762 33.75,38 34.95,36.8 47.3,36.8 55,44.5 U2.U1@82.5,44.5
ETH_MDIO: IC1.18 R13.1 U2.V1 | length 55.6
  Top Layer w0.15: IC1.18@33.25,39.762 33.25,37.85 34.65,36.45 39.9,36.45 ; R13.1@39.9,35.5 39.9,36.45 ; U2.V1@82.5,43.5 55,43.5 47.95,36.45 39.9,36.45
ETH_R\S\T\: C4.2 D1.2 D2.2 IC1.47 R10.1 | length 13.9
  Top Layer w0.15: R10.1@20.8,51.4 20.9,51.4 21.5,50.8 C4.2@22.4,50.8 22.6,50.6 D1.2@24.3,50.6 D2.2@26.3,50.6 v1(27,50.6) ; IC1.47@31.25,48.238 31.25,47.25 v1(31.5,47)
  Internal SIG1 w0.15: v1(27,50.6) 30.6,47 v1(31.5,47)
ETH_RESET_N: D2.1 U2.P3 | length 62
  Top Layer w0.15: D2.1@26.3,53 v1(26.3,53.8) ; v1(84,47) U2.P3@84.5,47.5
  Internal SIG1 w0.15: v1(26.3,53.8) 28.75,51.35 42.8,51.35 46.65,47.5 83.5,47.5 v1(84,47)
ETH_RX_CLK: IC1.28 U2.M2 | length 57.1
  Top Layer w0.15: IC1.28@37.738,42.75 39.7,42.75 ccw(c39.7,43.05) 40,43.05 cw(c40.3,43.05) 40.3,43.35 cw(c40.3,43.05) 40.6,43.05 ccw(c40.9,43.05) 40.9,42.75 ccw(c40.9,43.05) 41.2,43.05 41.2,43.5 cw(c41.5,43.5) 41.5,43.8 cw(c41.5,43.5) 41.8,43.5 41.8,43.05 ccw(c42.1,43.05) 42.1,42.75 ccw(c42.1,43.05) 42.4,43.05 42.4,43.5 cw(c42.7,43.5) 42.7,43.8 cw(c42.7,43.5) 43,43.5 43,43.05 ccw(c43.3,43.05) 43.3,42.75 ccw(c43.3,43.05) 43.6,43.05 43.6,43.5 cw(c43.9,43.5) 43.9,43.8 cw(c43.9,43.5) 44.2,43.5 44.2,43.05 ccw(c44.5,43.05) 44.5,42.75 ccw(c44.5,43.05) 44.8,43.05 44.8,43.5 cw(c45.1,43.5) 45.1,43.8 cw(c45.1,43.5) 45.4,43.5 45.4,43.05 ccw(c45.7,43.05) 45.7,42.75 ccw(c45.7,43.05) 46,43.05 46,43.5 cw(c46.3,43.5) 46.3,43.8 cw(c46.3,43.5) 46.6,43.5 46.6,43.05 ccw(c46.9,43.05) 46.9,42.75 ccw(c46.9,43.595) 47.498,42.997 53.217,48.717 cw(c53.9,48.034) 53.9,49 83,49 U2.M2@83.5,49.5
ETH_RX_DV: IC1.27 U2.N1 | length 47.4
  Top Layer w0.15: IC1.27@37.738,42.25 47.75,42.25 54,48.5 U2.N1@82.5,48.5
ETH_RX_ER: IC1.29 U2.M1 | length 47.4
  Top Layer w0.15: IC1.29@37.738,43.25 39.4,43.25 40.35,44.2 45.7,44.2 51,49.5 U2.M1@82.5,49.5
ETH_RXD0: IC1.23 U2.P1 | length 52
  Top Layer w0.15: IC1.23@35.75,39.762 35.75,38.8 36.55,38 44.5,38 54,47.5 U2.P1@82.5,47.5
ETH_RXD1: IC1.22 U2.R1 | length 52.4
  Top Layer w0.15: IC1.22@35.25,39.762 35.25,38.65 36.2,37.7 45.2,37.7 54,46.5 U2.R1@82.5,46.5
ETH_RXD2: IC1.21 U2.T1 | length 52.9
  Top Layer w0.15: IC1.21@34.75,39.762 34.75,38.45 35.8,37.4 45.9,37.4 54,45.5 U2.T1@82.5,45.5
ETH_RXD3: IC1.20 U2.T2 | length 54.7
  Top Layer w0.15: IC1.20@34.25,39.762 34.25,38.25 35.4,37.1 46.6,37.1 54.5,45 83,45 U2.T2@83.5,45.5
ETH_TX_CLK: IC1.33 U2.K1 | length 58.1
  Top Layer w0.15: IC1.33@37.738,45.25 41.3,45.25 ccw(c41.3,45.55) 41.6,45.55 41.6,50.01 cw(c41.9,50.01) 41.9,50.31 cw(c41.9,50.01) 42.2,50.01 42.2,48.96 ccw(c42.5,48.96) 42.5,48.66 ccw(c42.5,48.96) 42.8,48.96 42.8,50.01 cw(c43.1,50.01) 43.1,50.31 cw(c43.1,50.01) 43.4,50.01 43.4,48.96 ccw(c43.7,48.96) 43.7,48.66 ccw(c43.7,48.96) 44,48.96 44,50.01 cw(c44.3,50.01) 44.3,50.31 cw(c44.3,50.01) 44.6,50.01 44.6,48.96 ccw(c44.9,48.96) 44.9,48.66 ccw(c44.9,48.96) 45.2,48.96 cw(c47.74,48.96) 47.74,51.5 U2.K1@82.5,51.5
ETH_TX_EN: IC1.34 U2.K2 | length 51
  Top Layer w0.15: IC1.34@37.738,45.75 40.25,45.75 40.5,46 40.5,50.1 42.4,52 83,52 U2.K2@83.5,51.5
ETH_TXD0: IC1.35 U2.T4 | length 54.8
  Top Layer w0.15: IC1.35@37.738,46.25 v1(39.5,46.25) ; v1(85,45) U2.T4@85.5,45.5
  Internal SIG1 w0.15: v1(39.5,46.25) 39.5,44.55 ccw(c39.8,44.55) 39.8,44.25 ccw(c39.8,44.55) 40.1,44.55 40.1,45.15 cw(c40.4,45.15) 40.4,45.45 cw(c40.4,45.15) 40.7,45.15 40.7,44.55 ccw(c41,44.55) 41,44.25 ccw(c41,44.55) 41.3,44.55 41.3,45.15 cw(c41.6,45.15) 41.6,45.45 cw(c41.6,45.15) 41.9,45.15 41.9,44.55 ccw(c42.2,44.55) 42.2,44.25 ccw(c42.2,44.55) 42.5,44.55 42.5,45.25 cw(c42.75,45.25) 42.75,45.5 45.6,45.5 84.5,45.5 v1(85,45)
ETH_TXD1: IC1.36 U2.R3 | length 54.8
  Top Layer w0.15: IC1.36@37.738,46.75 v1(39,46.75) ; v1(84,46) U2.R3@84.5,46.5
  Internal SIG1 w0.15: v1(39,46.75) 39,47.7 cw(c39.3,47.7) 39.3,48 cw(c39.3,47.7) 39.6,47.7 39.6,47.1 ccw(c39.9,47.1) 39.9,46.8 ccw(c39.9,47.1) 40.2,47.1 40.2,47.7 cw(c40.5,47.7) 40.5,48 cw(c40.5,47.7) 40.8,47.7 40.8,46.3 ccw(c41.1,46.3) 41.1,46 ccw(c41.1,46.3) 41.4,46.3 41.4,47.7 cw(c41.7,47.7) 41.7,48 cw(c41.7,47.7) 42,47.7 42,47 ccw(c42.5,47) 42.5,46.5 83.5,46.5 v1(84,46)
ETH_TXD2: IC1.38 U2.T3 | length 55
  Top Layer w0.15: v1(36,43) 36,43.5 35.75,43.75 IC1.38@35.75,48.238 ; v1(84,45) U2.T3@84.5,45.5 ; IC1.38@35.75,48.238 35.712,48.2 35.7,48.2 35.738,48.238 IC1.38@35.75,48.238
  Internal SIG1 w0.15: v1(36,43) 80,43 81.5,44.5 83.5,44.5 v1(84,45)
ETH_TXD3: IC1.39 U2.U3 | length 55.7
  Top Layer w0.15: IC1.39@35.25,48.238 35.25,42.75 v1(35.5,42.5) ; v1(84,44) U2.U3@84.5,44.5
  Internal SIG1 w0.15: v1(35.5,42.5) 80.9,42.5 81.9,43.5 83.5,43.5 v1(84,44)
FLASH_SPI_CLK: R33.1 R38.2 U2.AA21 U3.6 | length 20.8
  Top Layer w0.15: U2.AA21@102.5,40.5 103,40 103,38.5 105,36.5 110.5,36.5 112,35 112,31.1 111.5,30.6 R33.1@110.9,30.6 R38.2@110.9,29.4 110.865,29.365 U3.6@109.225,29.365
FLASH_SPI_CS_N: R31.1 U2.AB20 U3.1 | length 9.3
  Top Layer w0.15: U2.AB20@101.5,39.5 101.5,37 102.1,36.4 R31.1@102.1,32.2 102.7,32.2 102.995,31.905 U3.1@103.775,31.905
FLASH_SPI_DI: U2.AA20 U3.2 | length 12.3
  Top Layer w0.15: U2.AA20@101.5,40.5 102,40 102,37.5 105,34.5 105,31 104.635,30.635 U3.2@103.775,30.635
FLASH_SPI_DO: U2.AB21 U3.5 | length 15
  Top Layer w0.15: U2.AB21@102.5,39.5 102.5,38 105.5,35 105.5,30.5 107.905,28.095 U3.5@109.225,28.095
FPGA_DONE: LD3.2 R35.1 U2.Y22 | length 104.8
  Top Layer w0.15: R35.1@38,95 LD3.2@39.2,95 v1(39.2,95.9) ; U2.Y22@103.5,41.5 v1(104,42)
  Internal SIG2 w0.15: v1(39.2,95.9) 40.1,95 60.2,95 86.5,68.7 86.5,57.8 86.8,57.5 97.2,57.5 97.5,57.2 97.5,42.8 97.8,42.5 103.5,42.5 v1(104,42)
FPGA_JTAG_TCK: J3.5 R3.1 U2.G15 | length 130.6
  Top Layer w0.15: J3.5@4.5,22.3 R3.1@7.1,22.3 ; U2.G15@96.5,54.5 v1(97,55)
  Internal SIG1 w0.15: J3.5@4.1,22.3 3.8,22.3 2.8,23.3 1.2,23.3 0.9,23.6 0.9,26.9 2.5,28.5 90.5,28.5 94.5,32.5 94.5,46.2 94.8,46.5 96.2,46.5 96.5,46.8 96.5,54.5 v1(97,55)
FPGA_JTAG_TDI: J3.9 R1.1 U2.E18 | length 125.5
  Top Layer w0.15: J3.9@4.1,26.3 4.5,26.3 R1.1@7.1,26.3 ; U2.E18@99.5,56.5 v1(100,57)
  Internal SIG1 w0.15: J3.9@4.1,26.3 4.3,26.3 6,28 91,28 95.5,32.5 95.5,45.2 95.8,45.5 98.3,45.5 98.5,45.7 98.5,49.5 99.5,50.5 99.5,56.5 v1(100,57)
FPGA_JTAG_TDO: J3.7 R2.1 U2.A19 | length 130.9
  Top Layer w0.15: J3.7@4.5,24.3 R2.1@7.1,24.3 ; U2.A19@100.5,60.5 v1(101,61)
  Internal SIG1 w0.15: J3.7@4.1,24.3 4.4,24.3 7.6,27.5 91.52,27.5 96.5,32.48 96.5,44.2 96.8,44.5 99.2,44.5 99.5,44.8 99.5,49.5 100.5,50.5 100.5,60.5 v1(101,61)